# Altium PCB FMC_ADC_100M_10B_16CHA_TDC.PcbDoc (part 5 of 12) (continued)
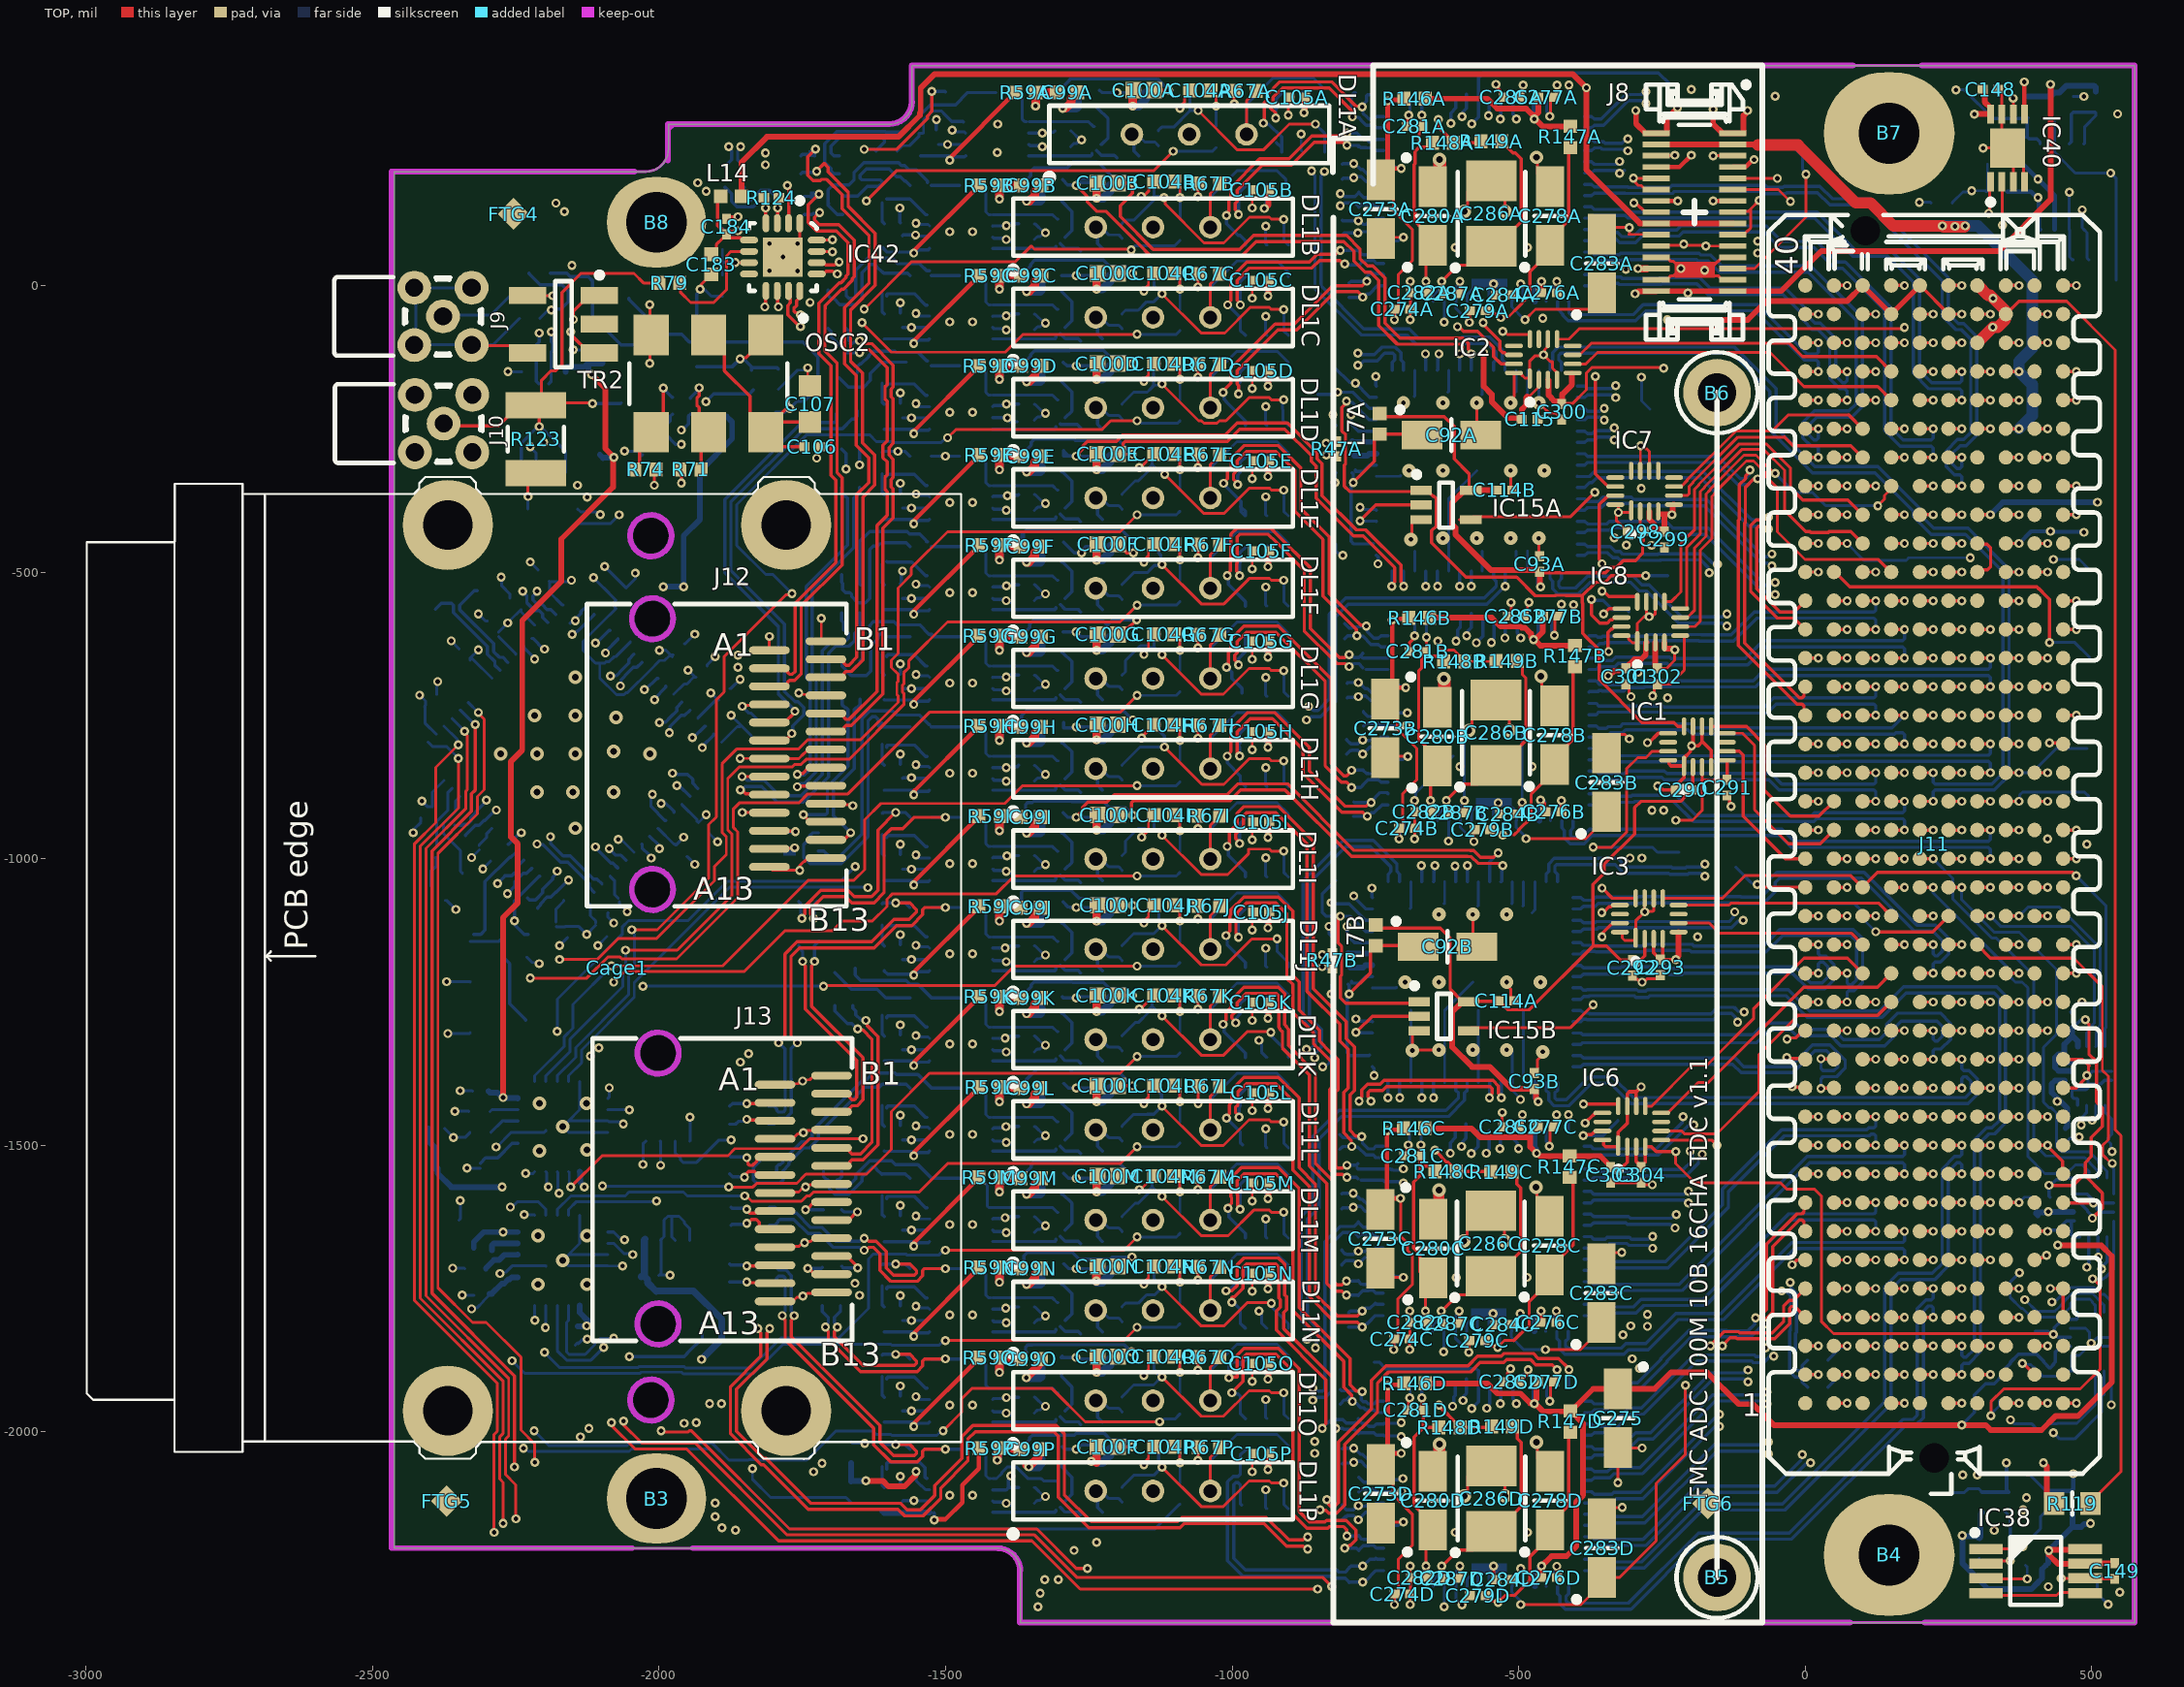
[diagram p0: TOP view]
## Nets (pads, with @x,y where several pads share a name; then routed paths per layer and width w, separated by ;. In a path a pad name is that pad's centre, name@x,y a point inside that pad or via, vN(x,y) a via of type N, cw(c..) or ccw(c..) an arc to the next point about the centre after c; other vN are vias at no path point) (continued)
  BOTTOM w5.71: DL1E.1@-1232.08,-373.37 -1234.67,-375.97 -1234.67,-399.52 R62E.2@-1226.11,-408.08
DL_INF: DL1F.1 R62F.2 R66F.2 | length 85.9
  BOTTOM w5: DL1F.1@-1230.11,-528.89 -1228.11,-528.89 -1215.31,-541.69 -1197.81,-541.69 -1192.04,-547.45 R66F.2@-1192.04,-548.24
  BOTTOM w5.71: DL1F.1@-1232.08,-530.85 -1234.67,-533.45 -1234.67,-557 R62F.2@-1226.11,-565.56
DL_ING: DL1G.1 R62G.2 R66G.2 | length 85.9
  BOTTOM w5: DL1G.1@-1230.11,-686.37 -1228.11,-686.37 -1215.31,-699.17 -1197.81,-699.17 -1192.04,-704.93 R66G.2@-1192.04,-705.72
  BOTTOM w5.71: DL1G.1@-1232.08,-688.33 -1234.67,-690.93 -1234.67,-714.48 R62G.2@-1226.11,-723.04
DL_INH: DL1H.1 R62H.2 R66H.2 | length 85.9
  BOTTOM w5: DL1H.1@-1230.11,-843.85 -1228.11,-843.85 -1215.31,-856.65 -1197.81,-856.65 -1192.04,-862.41 R66H.2@-1192.04,-863.2
  BOTTOM w5.71: DL1H.1@-1232.08,-845.82 -1234.67,-848.41 -1234.67,-871.96 R62H.2@-1226.11,-880.52
DL_INI: DL1I.1 R62I.2 R66I.2 | length 85.9
  BOTTOM w5: DL1I.1@-1230.11,-1001.33 -1228.11,-1001.33 -1215.31,-1014.13 -1197.81,-1014.13 -1192.04,-1019.89 R66I.2@-1192.04,-1020.68
  BOTTOM w5.71: DL1I.1@-1232.08,-1003.3 -1234.67,-1005.89 -1234.67,-1029.44 R62I.2@-1226.11,-1038
DL_INJ: DL1J.1 R62J.2 R66J.2 | length 85.9
  BOTTOM w5: DL1J.1@-1230.11,-1158.81 -1228.11,-1158.81 -1215.31,-1171.61 -1197.81,-1171.61 -1192.04,-1177.38 R66J.2@-1192.04,-1178.16
  BOTTOM w5.71: DL1J.1@-1232.08,-1160.78 -1234.67,-1163.37 -1234.67,-1186.92 R62J.2@-1226.11,-1195.49
DL_INK: DL1K.1 R62K.2 R66K.2 | length 85.9
  BOTTOM w5: DL1K.1@-1230.11,-1316.29 -1228.11,-1316.29 -1215.31,-1329.09 -1197.81,-1329.09 -1192.04,-1334.86 R66K.2@-1192.04,-1335.64
  BOTTOM w5.71: DL1K.1@-1232.08,-1318.26 -1234.67,-1320.85 -1234.67,-1344.4 R62K.2@-1226.11,-1352.97
DL_INL: DL1L.1 R62L.2 R66L.2 | length 85.9
  BOTTOM w5: DL1L.1@-1230.11,-1473.77 -1228.11,-1473.77 -1215.31,-1486.57 -1197.81,-1486.57 -1192.04,-1492.34 R66L.2@-1192.04,-1493.12
  BOTTOM w5.71: DL1L.1@-1232.08,-1475.74 -1234.67,-1478.33 -1234.67,-1501.89 R62L.2@-1226.11,-1510.45
DL_INM: DL1M.1 R62M.2 R66M.2 | length 85.9
  BOTTOM w5: DL1M.1@-1230.11,-1631.25 -1228.11,-1631.25 -1215.31,-1644.05 -1197.81,-1644.05 -1192.04,-1649.82 R66M.2@-1192.04,-1650.6
  BOTTOM w5.71: DL1M.1@-1232.08,-1633.22 -1234.67,-1635.81 -1234.67,-1659.37 R62M.2@-1226.11,-1667.93
DL_INN: DL1N.1 R62N.2 R66N.2 | length 85.9
  BOTTOM w5: DL1N.1@-1230.11,-1788.73 -1228.11,-1788.73 -1215.31,-1801.53 -1197.81,-1801.53 -1192.04,-1807.3 R66N.2@-1192.04,-1808.08
  BOTTOM w5.71: DL1N.1@-1232.08,-1790.7 -1234.67,-1793.29 -1234.67,-1816.85 R62N.2@-1226.11,-1825.41
DL_INO: DL1O.1 R62O.2 R66O.2 | length 85.8
  BOTTOM w5: DL1O.1@-1230.11,-1946.21 -1228.11,-1946.21 -1215.31,-1959.01 -1197.81,-1959.01 -1192.04,-1964.78 R66O.2@-1192.04,-1965.56
  BOTTOM w5.71: DL1O.1@-1232.08,-1948.18 -1234.55,-1950.65 -1234.55,-1974.45 R62O.2@-1226.11,-1982.89
DL_INP: DL1P.1 R62P.2 R66P.2 | length 85.9
  BOTTOM w5: DL1P.1@-1230.11,-2103.69 -1228.11,-2103.69 -1215.31,-2116.49 -1197.81,-2116.49 -1192.04,-2122.26 R66P.2@-1192.04,-2123.04
  BOTTOM w5.71: DL1P.1@-1232.08,-2105.66 -1234.67,-2108.25 -1234.67,-2131.81 R62P.2@-1226.11,-2140.37
DL_OUTA: DL1A.3 IC32A.6 R67A.2 | length 284.4
  TOP w5: DL1A.3@-972.84,273.57 -974.93,275.67 -974.93,322.35 -958.43,338.85 R67A.2@-958.43,339.64
  BOTTOM w5: DL1A.3@-976.77,269.63 -974.93,271.47 -974.93,315.8 -928.7,362.04 -858.29,362.04 -842.91,346.66 IC32A.6@-842.91,340.5
DL_OUTB: DL1B.3 IC32B.6 R67B.2 | length 287.8
  TOP w5: DL1B.3@-1035.95,111.6 -1038.04,113.7 -1038.04,160.38 -1021.54,176.88 R67B.2@-1021.54,177.67
  BOTTOM w5: DL1B.3@-1039.89,107.66 -1038.04,109.51 -1038.04,153.84 -991.81,200.07 -921.4,200.07 -905.91,184.58 IC32B.6@-905.91,175.14
DL_OUTC: DL1C.3 IC32C.6 R67C.2 | length 291.7
  TOP w5: DL1C.3@-1035.95,-45.88 -1038.04,-43.78 -1038.04,2.9 -1021.54,19.4 R67C.2@-1021.54,20.19
  BOTTOM w5: DL1C.3@-1039.89,-49.82 -1038.04,-47.98 -1038.04,-3.64 -991.81,42.59 -921.4,42.59 -902.09,23.28 IC32C.6@-902.09,15.4
DL_OUTD: DL1D.3 IC32D.6 R67D.2 | length 283.8
  TOP w5: DL1D.3@-1035.95,-203.36 -1038.04,-201.26 -1038.04,-154.58 -1021.54,-138.08 R67D.2@-1021.54,-137.29
  BOTTOM w5: DL1D.3@-1039.89,-207.3 -1038.04,-205.46 -1038.04,-161.12 -991.81,-114.89 -921.4,-114.89 IC32D.6@-902.09,-134.2
DL_OUTE: DL1E.3 IC32E.6 R67E.2 | length 291.7
  TOP w5: DL1E.3@-1035.95,-360.84 -1038.04,-358.74 -1038.04,-312.06 -1021.54,-295.56 R67E.2@-1021.54,-294.77
  BOTTOM w5: DL1E.3@-1039.89,-364.78 -1038.04,-362.94 -1038.04,-318.61 -991.81,-272.37 -921.4,-272.37 -902.09,-291.68 IC32E.6@-902.09,-299.56
DL_OUTF: DL1F.3 IC32F.6 R67F.2 | length 296.9
  TOP w5: DL1F.3@-1035.95,-518.32 -1038.04,-516.22 -1038.04,-469.54 -1021.54,-453.04 R67F.2@-1021.54,-452.25
  BOTTOM w5: DL1F.3@-1038.04,-528.25 -1038.04,-476.09 -991.81,-429.85 -921.4,-429.85 -902.09,-449.16 IC32F.6@-902.09,-457.04
DL_OUTG: DL1G.3 IC32G.6 R67G.2 | length 289
  TOP w5: DL1G.3@-1035.95,-675.8 -1038.04,-673.7 -1038.04,-627.02 -1021.54,-610.52 R67G.2@-1021.54,-609.73
  BOTTOM w5: DL1G.3@-1038.04,-685.73 -1038.04,-633.57 -991.81,-587.33 -921.4,-587.33 IC32G.6@-902.09,-606.64
DL_OUTH: DL1H.3 IC32H.6 R67H.2 | length 283.8
  TOP w5: DL1H.3@-1035.95,-833.28 -1038.04,-831.18 -1038.04,-784.5 -1021.54,-768 R67H.2@-1021.54,-767.21
  BOTTOM w5: DL1H.3@-1039.89,-837.22 -1038.04,-835.38 -1038.04,-791.05 -991.81,-744.81 -921.4,-744.81 IC32H.6@-902.09,-764.12
DL_OUTI: DL1I.3 IC32I.6 R67I.2 | length 296.9
  TOP w5: DL1I.3@-1035.95,-990.76 -1038.04,-988.66 -1038.04,-941.98 -1021.54,-925.48 R67I.2@-1021.54,-924.69
  BOTTOM w5: DL1I.3@-1038.04,-1000.69 -1038.04,-948.53 -991.81,-902.29 -921.4,-902.29 -902.09,-921.6 IC32I.6@-902.09,-929.48
DL_OUTJ: DL1J.3 IC32J.6 R67J.2 | length 291.7
  TOP w5: DL1J.3@-1035.95,-1148.24 -1038.04,-1146.14 -1038.04,-1099.46 -1021.54,-1082.96 R67J.2@-1021.54,-1082.17
  BOTTOM w5: DL1J.3@-1039.89,-1152.18 -1038.04,-1150.34 -1038.04,-1106.01 -991.81,-1059.77 -921.4,-1059.77 -902.09,-1079.08 IC32J.6@-902.09,-1086.96
DL_OUTK: DL1K.3 IC32K.6 R67K.2 | length 291.7
  TOP w5: DL1K.3@-1035.95,-1305.72 -1038.04,-1303.63 -1038.04,-1256.94 -1021.54,-1240.44 R67K.2@-1021.54,-1239.65
  BOTTOM w5: DL1K.3@-1039.89,-1309.66 -1038.04,-1307.82 -1038.04,-1263.49 -991.81,-1217.25 -921.4,-1217.25 -902.09,-1236.56 IC32K.6@-902.09,-1244.44
DL_OUTL: DL1L.3 IC32L.6 R67L.2 | length 291.7
  TOP w5: DL1L.3@-1035.95,-1463.2 -1038.04,-1461.11 -1038.04,-1414.42 -1021.54,-1397.92 R67L.2@-1021.54,-1397.13
  BOTTOM w5: DL1L.3@-1039.89,-1467.14 -1038.04,-1465.3 -1038.04,-1420.97 -991.81,-1374.73 -921.4,-1374.73 -902.09,-1394.04 IC32L.6@-902.09,-1401.92
DL_OUTM: DL1M.3 IC32M.6 R67M.2 | length 291.7
  TOP w5: DL1M.3@-1035.95,-1620.68 -1038.04,-1618.59 -1038.04,-1571.9 -1021.54,-1555.4 R67M.2@-1021.54,-1554.61
  BOTTOM w5: DL1M.3@-1039.89,-1624.62 -1038.04,-1622.78 -1038.04,-1578.45 -991.81,-1532.21 -921.4,-1532.21 -902.09,-1551.53 IC32M.6@-902.09,-1559.4
DL_OUTN: DL1N.3 IC32N.6 R67N.2 | length 291.7
  TOP w5: DL1N.3@-1035.95,-1778.16 -1038.04,-1776.07 -1038.04,-1729.38 -1021.54,-1712.88 R67N.2@-1021.54,-1712.09
  BOTTOM w5: DL1N.3@-1039.89,-1782.1 -1038.04,-1780.26 -1038.04,-1735.93 -991.81,-1689.69 -921.4,-1689.69 -902.09,-1709.01 IC32N.6@-902.09,-1716.88
DL_OUTO: DL1O.3 IC32O.6 R67O.2 | length 291.7
  TOP w5: DL1O.3@-1035.95,-1935.64 -1038.04,-1933.55 -1038.04,-1886.86 -1021.54,-1870.36 R67O.2@-1021.54,-1869.57
  BOTTOM w5: DL1O.3@-1039.89,-1939.58 -1038.04,-1937.74 -1038.04,-1893.41 -991.81,-1847.17 -921.4,-1847.17 -902.09,-1866.49 IC32O.6@-902.09,-1874.36
DL_OUTP: DL1P.3 IC32P.6 R67P.2 | length 296.9
  TOP w5: DL1P.3@-1035.95,-2093.12 -1038.04,-2091.03 -1038.04,-2044.34 -1021.54,-2027.84 R67P.2@-1021.54,-2027.05
  BOTTOM w5: DL1P.3@-1038.04,-2103.05 -1038.04,-2050.89 -991.81,-2004.66 -921.4,-2004.66 -902.09,-2023.97 IC32P.6@-902.09,-2031.84
DVDD18A: C283A.1 C284A.1 C285A.1 IC50A.22 IC50A.24 IC50A.25 IC50A.26 IC50A.60 R148A.1 R149A.1 | length 1041
  TOP w5: v1(-543.7,3.1) -543.7,-12.65 C284A.1@-539.76,-16.59 ; C285A.1@-498.89,328.54 -497.9,328.54 -492.53,333.91 v1(-492.52,349.55) ; v1@-488.9,-59.9 -470.63,-41.63 -376.83,-41.63 -354.72,-19.52 C283A.1@-354.72,-12.65
  TOP w6: v1(-640.07,289.32) -638.2,287.45 -638.2,274.13 -613.78,249.71 R148A.1@-613.78,248.92 -568.35,248.92 R149A.1@-566.14,251.13
  L3 w5: -572.48,317.36 -572.48,294.45 -566.46,288.44 -565.57,287.54 -565.57,104.82 -543.7,82.94 v1(-543.7,3.1)
  L3 w10: v1(-640.07,289.32) -640.07,290.87 -630.21,300.73 -630.21,310.29 -623.14,317.36 -572.48,317.36 -524.71,317.36 v1(-492.52,349.55)
  BOTTOM w5: IC50A.26@-590.03,-28.28 -590.03,-15.73 -574.01,0.29 -556.64,0.29 -553.09,-3.27 ; -573.24,-2.83 -571.65,-4.42 -571.65,-26.98 IC50A.25@-570.34,-28.28 ; IC50A.24@-550.66,-28.28 -551.96,-26.98 -551.96,-10.38 -553.09,-9.26 -553.09,-3.27 ; v1@-546.44,1.04 -548.66,1.04 -552.97,-3.27 -553.09,-3.27 ; v1@-540.89,0.29 -540.14,1.04 -529.78,1.04 -511.29,-17.45 IC50A.22@-511.29,-28.28 ; IC50A.22@-512.2,-28.4 -512.2,-37.5 -489.7,-60 v1(-489,-60) ; v1@-492.52,345.62 -492.06,345.16 -492.06,322.57 IC50A.60@-491.6,322.11
DVDD18B: C283B.1 C284B.1 C285B.1 IC50B.22 IC50B.24 IC50B.25 IC50B.26 IC50B.60 R148B.1 R149B.1 | length 1304.9
  TOP w5: v1(-641.27,-620.43) -640.07,-621.63 -640.07,-633.21 -637.03,-636.25 -613.03,-636.25 -594.11,-655.17 R148B.1@-594.11,-655.96 -540.55,-655.96 R149B.1@-539.76,-655.17 ; v1(-535.82,-902.42) -535.82,-918.17 C284B.1@-531.89,-922.1 ; C285B.1@-491.01,-576.97 -490.03,-576.97 -484.66,-571.6 -484.66,-553.21 -484.44,-553 v1(-482,-553) ; v1(-487,-965) -382.86,-965 -346.85,-928.99 C283B.1@-346.85,-918.16
  L3 w5: v1(-641.27,-620.43) -641.27,-620.99 -567.7,-694.56 -567.7,-870.54 v1(-535.82,-902.42)
  L2 w5: v1(-641.27,-620.43) -641.27,-619.28 -625.23,-603.23 -604.84,-603.23 -597.31,-595.7 -584.57,-595.7 -577.04,-603.23 -533.98,-603.23 -530.38,-599.64 -517.65,-599.64 -515.85,-601.44 -504.62,-601.44 -498.33,-595.15 -420.52,-595.15 -389.09,-563.72 -389.09,-549.59 -398.09,-540.58 -433.61,-540.58 -446.22,-553.2 -446.43,-553 v1(-482,-553)
  BOTTOM w5: IC50B.26@-582.16,-933.79 -582.16,-917.69 -570.82,-906.35 -547.64,-906.35 -545.21,-908.78 ; -565.37,-908.34 -563.77,-909.93 -563.77,-932.49 IC50B.25@-562.47,-933.79 ; IC50B.24@-542.79,-933.79 -544.09,-932.49 -544.09,-909.9 -545.21,-908.78 ; IC50B.22@-504.33,-933.91 -504.33,-945.55 -487,-962.88 v1(-487,-965) ; IC50B.22@-503.42,-933.79 -503.42,-919.1 -518.04,-904.47 -532.8,-904.47 -533.28,-904.96 -533.77,-904.47 -540.79,-904.47 -545.09,-908.78 -545.21,-908.78 ; v1@-484.64,-559.9 -484.64,-582.49 IC50B.60@-483.73,-583.4
DVDD18C: C283C.1 C284C.1 C285C.1 IC50C.22 IC50C.24 IC50C.25 IC50C.26 IC50C.60 R148C.1 R149C.1 | length 1176.2
  TOP w5: v1(-544.61,-1793.36) -544.61,-1809.11 C284C.1@-540.68,-1813.05 ; C285C.1@-499.8,-1467.92 -498.82,-1467.92 -493.45,-1462.55 v1(-493.43,-1446.9) ; v1(-453.15,-1856.35) -392.06,-1856.35 -355.64,-1819.93 C283C.1@-355.64,-1809.11
  TOP w6: v1(-646.06,-1508.48) -635.29,-1519.25 -635.29,-1520.41 -625.99,-1529.71 -623.62,-1529.71 -608.79,-1544.54 R148C.1@-608.79,-1545.33 -549.34,-1545.33 R149C.1@-548.55,-1546.12
  L3 w5: v1(-544.61,-1793.36) -522.74,-1771.49 -522.74,-1692.5 -505.62,-1675.37 -505.62,-1578.83 -515.77,-1568.69 -515.77,-1469.24 v1(-493.43,-1446.9)
  L2 w5: v1(-646.06,-1508.48) -608.62,-1471.04 -608.62,-1453.13 -557.49,-1402 -524.01,-1402 -512.37,-1413.64 -512.37,-1427.96 v1(-493.43,-1446.9)
  BOTTOM w5: IC50C.26@-590.95,-1824.74 -590.95,-1812.19 -576.05,-1797.3 -566.15,-1797.3 ; -574.16,-1799.28 -572.56,-1800.88 -572.56,-1823.43 IC50C.25@-571.26,-1824.74 ; IC50C.24@-551.58,-1824.74 -551.58,-1803.49 -559.95,-1803.49 -566.15,-1797.3 ; v1(-544.61,-1793.36) -562.21,-1793.36 -566.15,-1797.3 ; v1@-541.81,-1796.17 -541.05,-1795.42 -530.7,-1795.42 -512.21,-1813.91 IC50C.22@-512.21,-1824.74 ; IC50C.22@-513.12,-1824.86 -513.12,-1834.65 -491.42,-1856.35 v1(-453.15,-1856.35) ; v1@-493.43,-1450.84 -492.98,-1451.3 -492.98,-1473.89 IC50C.60@-492.52,-1474.34
DVDD18D: C283D.1 C284D.1 C285D.1 IC50D.22 IC50D.24 IC50D.25 IC50D.26 IC50D.60 R148D.1 R149D.1 | length 1454
  TOP w5: v1@-640.14,-1953.36 v1(-639.1,-1953.36) ; v1(-543.7,-2234.3) -543.7,-2253.99 C284D.1@-539.77,-2257.93 ; C285D.1@-498.89,-1912.8 -497.91,-1912.8 -485.61,-1900.5 -485.61,-1893.84 v1(-483.55,-1891.79) ; v1(-496.46,-2301.23) -391.14,-2301.23 -354.73,-2264.82 C283D.1@-354.73,-2253.99 -323.97,-2253.99 -260.03,-2190.05 -260.03,-2089.92 -209.17,-2039.06 v1(-209.17,-1918.75)
  TOP w6: v1(-639.1,-1953.36) -639.1,-1954.44 -606.55,-1986.99 R148D.1@-606.55,-1987.78 ; R148D.1@-602.1,-1992.24 -549.67,-1992.24 R149D.1@-547.64,-1990.21
  L2 w5: v1(-639.1,-1953.36) -637.15,-1951.4 -637.15,-1937.99 -617.42,-1918.25 -510.02,-1918.25 v1(-483.55,-1891.79) -460.6,-1914.74 -227.04,-1914.74 -224.54,-1917.24 -210.67,-1917.24 v1(-209.17,-1918.75)
  BOTTOM w5: IC50D.26@-590.03,-2269.62 -590.03,-2257.07 -575.14,-2242.18 -555.51,-2242.18 -553.09,-2244.6 ; -573.25,-2244.16 -571.65,-2245.76 -571.65,-2268.32 IC50D.25@-570.35,-2269.62 ; IC50D.24@-550.66,-2269.62 -551.97,-2268.32 -551.97,-2245.73 -553.09,-2244.6 ; v1(-543.7,-2234.3) -543.7,-2235.22 -553.09,-2244.6 ; v1@-540.89,-2241.05 -536.56,-2245.39 -524.7,-2245.39 -511.29,-2258.79 IC50D.22@-511.29,-2269.62 ; IC50D.22@-512.21,-2269.74 -512.21,-2279.53 -498.51,-2293.23 -498.51,-2299.18 v1(-496.46,-2301.23) ; IC50D.60@-491.61,-1919.23 -492.52,-1918.31 -492.52,-1900.75 v1(-483.55,-1891.79)
DVDD33A: C115.1 C144.1 C145.1 C146.1 C181.1 C182.1 C275.1 C276A.1 C276B.1 C276C.1 C276D.1 C277A.1 C277B.1 C277C.1 C277D.1 C288.1 C296.1 C301.1 C303.1 C305.1 D3.2 IC2.2 IC4.2 IC5.2 IC6.2 IC8.2 IC9.2 IC35.2 IC35.12 IC36.2 IC36.12 IC37.1 IC41.8 IC50A.20 IC50A.61 IC50B.20 IC50B.61 IC50C.20 IC50C.61 IC50D.20 IC50D.61 J8.29 J8.30 R85.1 R146A.1 R146B.1 R146C.1 R146D.1 R147A.1 R147B.1 R147C.1 R147D.1 R160.2 R161.2 R162.2 | length 10531.7
  TOP w5: -486,-198 -464.87,-176.87 IC2.2@-464.87,-164.43
  TOP w6: C303.1@-339.52,-1537.75 -318.67,-1537.75 -310.66,-1529.74 IC6.2@-310.66,-1502.57
  TOP w10: v1(-2272.05,-1416.63) -2272.05,-1102.73 -2246.54,-1077.22 -2246.54,-974.06 -2258.43,-962.18 -2258.43,-830.27 -2238.74,-810.58 -2238.74,-584.54 -2170.67,-516.47 -2170.67,-442.3 -2080,-351.63 -2080,-298 -2093.52,-284.48 -2093.52,-179.83 v1(-2117.79,-155.56) ; R146C.1@-663.91,-1470.53 -582.7,-1470.53 -567.43,-1485.79 -485.44,-1485.79 ; R146D.1@-662.99,-1915.41 -554.72,-1915.41 -537.16,-1932.97 -496.93,-1932.97 -479.89,-1950 -475.23,-1950 -474.39,-1950.84 v1(-472.84,-1950.84) -471.28,-1950.84 -457.89,-1964.23 -410.24,-1964.23 R147D.1@-409.84,-1963.83 R147D.1@-409.06,-1963.83 ; R146A.1@-662.99,325.93 -554.72,325.93 -537.43,308.64 -487.04,308.64 -477.68,299.28 ; R146B.1@-655.12,-579.58 -546.84,-579.58 -531.3,-595.13 -496.87,-595.13 -494.86,-597.14 -489.05,-597.14 -478.58,-607.61 -478.58,-613.42 v1@-472.94,-619.06 ; v1(-561.32,-116.91) -561.32,-175.68 -547,-190 -547,-202.8 -518.36,-231.44 -496.44,-231.44 C115.1@-496,-231 ; C115.1@-494.5,-233.45 -494.5,-215.95 -486.77,-208.22 -486.77,-195.74 -484.89,-193.86 ; v1(-474,-618) -472.44,-618 -462.05,-628.4 -402.36,-628.4 R147B.1@-401.97,-628.01 ; v1@-473.94,-620.06 -457.79,-603.91 C277B.1@-457.79,-576.97 ; v1(-472.83,290.5) -471.28,290.5 -457.89,277.11 -410.23,277.11 R147A.1@-409.84,277.51 ; -468.9,-1942.97 -468.9,-1915.67 -466.03,-1912.8 C277D.1@-465.67,-1912.8 ; -468.9,298.37 -465.67,301.6 C277A.1@-465.67,328.54 ; C277C.1@-466.58,-1467.92 -467.57,-1467.92 -480,-1480.35 -480,-1502.73 v1(-468.9,-1513.83) -467.34,-1513.83 -461.83,-1519.34 -411.15,-1519.34 R147C.1@-410.76,-1518.95 -357.33,-1518.95 -339.52,-1536.76 C303.1@-339.52,-1537.75 ; v1(-462,-898) -462,-899.56 -457.01,-904.55 -457.01,-915.29 -454.13,-918.16 C276B.1@-453.15,-918.16 ; C276C.1@-461.94,-1809.11 -461.52,-1808.69 -461.52,-1789.84 v1(-461.1,-1789.42) ; C276D.1@-461.03,-2253.99 -460.6,-2253.57 -460.6,-2234.73 v1(-460.18,-2234.3) -442.62,-2216.75 -416.53,-2216.75 -399.96,-2200.17 -399.96,-2122.68 -387.64,-2110.36 -387.64,-1985.25 R147D.1@-409.06,-1963.83 ; C276A.1@-461.02,-12.65 -460.6,-12.23 -460.6,6.61 v1(-460.18,7.03) ; v1(-344,-681) -342.44,-681 -333.47,-672.02 -315.87,-672.02 -313,-669.15 C301.1@-313,-668.16 -313,-667.18 -298,-652.18 -286.39,-652.18 -278.33,-644.12 -278.33,-623.69 IC8.2@-277.27,-622.63 ; v1(-297.09,-14.38) -295.54,-14.38 -291.13,-9.98 -260.32,-9.98 J8.30@-260.24,-9.9 -209.66,-9.9 -206.56,-13 v1(-205,-13) ; v1@-205,-10.34 -203.44,-11.9 -202.34,-11.9 -200.34,-9.9 J8.29@-126.38,-9.9 -41.86,-9.9 27.95,59.91 338.08,59.91 428,149.83 v1(428,350.93) ; v1@271.44,-1988.1 -54.93,-1988.1 -91.43,-1951.61 -116.22,-1951.61 -171.55,-1896.27 -234.17,-1896.27 -262.89,-1924.99 C275.1@-326.9,-1924.99 -370.22,-1924.99 R147D.1@-409.06,-1963.83 ; v1@274.56,-1988.1 314.82,-1988.1 323.6,-1996.87 412.17,-1996.87 436.45,-1972.6 475.68,-1972.6 534.87,-1913.4 534.87,-1693.19 516.59,-1674.91 441.28,-1674.91 v1(440.73,-1674.35)
  L3 w10: v1@-2277.25,-1577.93 -2277.25,-1615.29 -2272.05,-1620.49 v1(-2272.05,-1651.45) ; v1@-2273.76,-1571.18 -2273.76,-1517.57 -2266.53,-1510.33 -2266.53,-1495.53 -2273.76,-1488.29 v1@-2273.76,-1423.7 ; v1(-2130.32,-1572.89) -2130.32,-1620.73 -2147.3,-1637.72 -2147.3,-1684.01 -2145.98,-1685.34 -2145.98,-1732.37 -2147.3,-1733.69 -2147.3,-1770.59 -2126,-1791.89 v1(-2126,-1815) ; v1(-472.83,290.5) -447.09,264.75 -447.09,142.44 -460.18,129.34 v1(-460.18,7.03) ; v1(439.84,-1423.36) 440.87,-1424.39 440.87,-1511.38 443.14,-1513.64 443.14,-1577.13 440.87,-1579.39 440.87,-1599.13 v1(424,-1616) 440.87,-1632.87 440.87,-1674.2 v1(440.73,-1674.35)
  L2 w10: v1(-2273.76,-1572.89) -2218.58,-1572.89 -2200.71,-1555.01 -2146.53,-1555.01 -2131.42,-1570.13 -2131.42,-1571.79 v1(-2130.32,-1572.89) ; v1(-2126,-1815) -2097.27,-1815 -2091.35,-1820.92 -2089.23,-1818.79 -2087.88,-1820.14 -2086.54,-1818.79 -2071.73,-1818.79 -2061.26,-1829.26 -2061.26,-1844.07 -2062.61,-1845.42 -2057.18,-1850.84 -2044.43,-1850.84 -2033.95,-1861.31 -2033.95,-1874.07 -2014.74,-1893.28 -1993.08,-1893.28 -1978.28,-1908.08 -1809.48,-1908.08 -1803.42,-1902.02 -1752.73,-1902.02 -1746.67,-1908.08 -1592.72,-1908.08 -1586.66,-1902.02 -1571.85,-1902.02 -1565.79,-1908.08 -1510.67,-1908.08 -1480.99,-1878.4 -1354.08,-1878.4 -1318.33,-1914.15 -1191.43,-1914.15 -1158.41,-1881.13 -1101.2,-1881.13 -1094.53,-1874.46 -1052.17,-1874.46 -1037.01,-1889.62 -1014.93,-1889.62 -1013,-1887.69 -998.19,-1887.69 -996.26,-1889.62 -824.79,-1889.62 -814.02,-1878.85 -537.89,-1878.85 -462.2,-1803.15 -462.2,-1790.52 v1(-461.1,-1789.42) ; v1(-561.32,-116.91) -511.45,-116.91 -485.28,-90.73 -485.28,-84.28 v1(-458,-57)
  BOTTOM w6: v1(273,-1988.1) 294.86,-1966.24 294.86,-1935.35 314.34,-1915.87 329.58,-1915.87 345.11,-1900.34 345.11,-1893.25 358,-1880.36 358,-1878.52 372.03,-1864.48 391.59,-1864.48 391.97,-1864.86 404.17,-1864.86 416.03,-1876.72 416.03,-1878.19 425.74,-1887.91 C305.1@426.73,-1887.91 427.71,-1887.91 432.59,-1883.04 432.59,-1882.05 436.49,-1878.15 436.49,-1860.59 442.58,-1854.5 446.37,-1854.5 450.19,-1850.69 IC9.2@462.5,-1850.69
  BOTTOM w10: C144.1@-2402.09,-1471.08 -2400.87,-1472.3 -2400.87,-1493.95 -2390.52,-1504.3 -2390.52,-1541.04 IC37.1@-2390.16,-1541.39 ; IC37.1@-2386.34,-1539.97 -2386.34,-1548.83 -2362.29,-1572.89 v1(-2273.76,-1572.89) ; R85.1@-2323.23,-1679.19 -2323.23,-1668.77 -2305.91,-1651.45 v1(-2272.05,-1651.45) IC36.12@-2246.53,-1651.45 ; C145.1@-2297.76,-1405.33 -2294.89,-1408.2 -2282.03,-1408.2 v1@-2274.71,-1415.53 ; v1@-2272.05,-1418.19 -2271.59,-1417.73 -2269.39,-1417.73 -2269.28,-1417.84 -2246.88,-1417.84 IC35.12@-2246.53,-1418.19 ; IC41.8@-2162.8,-150.45 -2162.8,-143.97 -2160.91,-142.08 C181.1@-2132.58,-142.08 ; C146.1@-2142.04,-1815.91 -2125.91,-1815.91 -2126.5,-1816.5 -2125.17,-1817.83 -2125.17,-1805.15 -2138.61,-1791.71 -2138.61,-1779.75 IC36.2@-2138.26,-1779.41 ; IC35.2@-2138.26,-1546.14 -2137.92,-1546.49 -2137.92,-1563.73 -2130.32,-1571.33 v1(-2130.32,-1572.89) ; v1(-2117.79,-155.56) -2117.79,-154.01 -2123.61,-148.19 -2123.61,-141.09 C181.1@-2126.48,-138.22 -2124.51,-136.25 -2099.83,-136.25 -2098.82,-135.24 C182.1@-2098.82,-131.94 ; D3.2@-2103.4,-295.28 -2097.68,-301 -2096.68,-300 v1(-2079,-300) ; v1(-474,-618) -464.05,-608.05 IC50B.61@-464.05,-583.4 ; IC50C.20@-472.84,-1824.74 -472.49,-1824.39 -472.49,-1802.37 -462.2,-1792.08 -462.2,-1791.65 v1@-463.75,-1790.1 ; IC50C.61@-472.84,-1474.34 -472.49,-1474.69 -472.49,-1503.28 -469.81,-1505.96 ; IC50D.20@-471.92,-2269.62 -471.58,-2269.27 -471.58,-2247.25 -461.28,-2236.96 -461.28,-2236.54 v1@-462.84,-2234.98 ; v1@-471.92,-1948.18 -472.27,-1948.18 -472.27,-1919.57 IC50D.61@-471.92,-1919.23 ; IC50A.20@-471.92,-28.28 -471.57,-27.93 -471.57,-5.91 -461.28,4.38 -461.28,4.8 v1@-462.84,6.36 ; v1@-471.92,293.15 -472.27,293.15 -472.27,321.77 IC50A.61@-471.92,322.11 ; IC50B.20@-464.05,-933.79 -463.7,-933.45 -463.7,-908.83 v1@-456.41,-901.54 ; R162.2@388.82,329.79 R161.2@428.19,329.79 ; C288.1@403.02,-1619.22 C288.1@405.87,-1622.08 ; C288.1@403,-1617.87 C288.1@403,-1618.22 404.12,-1617.1 422.9,-1617.1 v1@423,-1617 ; v1(424,-1616) 424.44,-1616.44 IC4.2@467.24,-1616.44 ; v1(428,350.93) 428.09,350.84 428.09,329.89 R161.2@428.19,329.79 ; v1(439.84,-1423.36) 441.71,-1421.5 v1@443.5,-1421.5 ; IC5.2@452.82,-1387 435.86,-1387 430,-1392.86 430,-1408 v1@443.5,-1421.5 ; C296.1@454.13,-1470.08 457,-1467.2 C296.1@457,-1466.22 457,-1435 v1@443.5,-1421.5 ; R160.2@506.93,338.45 506.93,345.6 503.88,348.65 455.54,348.65 443.1,336.21 434.61,336.21 R161.2@428.19,329.79
FRAME0A_N: IC50A.1 J11.f38 | length 986
  TOP w5.71: J11.f38@200,-100 v1(223,-100)
  L2 w4: v1(-277.95,338.11) -275.61,338.11 -269.74,332.23 -243.76,332.23 -242.12,333.87 -211.91,333.87 -205.16,327.13 -174.82,327.13 -170.63,331.31 -93.17,331.31 -77.29,315.43 -15.39,315.43 196.87,103.17 196.87,-100.03 217.34,-120.5 220.66,-120.5 223,-118.16 v1(223,-100)
  BOTTOM w5.71: IC50A.1@-385.31,294.55 -372.83,294.55 -368.34,290.07 -355.98,290.07 -312.96,333.09 -285.69,333.09 -280.67,338.11 v1(-277.95,338.11)
FRAME0A_P: IC50A.2 J11.f37 | length 986
  TOP w5.71: J11.f37@200,-150 v1(223,-150)
  L2 w4: v1(-277.95,317.36) -275.61,317.36 -269.74,323.23 -240.03,323.23 -238.4,324.87 -215.64,324.87 -208.89,318.13 -171.09,318.13 -166.9,322.31 -96.9,322.31 -81.02,306.43 -19.11,306.43 187.87,99.44 187.87,-103.76 213.62,-129.5 220.66,-129.5 223,-131.84 v1(223,-150)
  BOTTOM w5.71: IC50A.2@-385.31,274.87 -372.83,274.87 -368.34,279.35 -351.55,279.35 -308.52,322.38 -285.69,322.38 -280.67,317.36 v1(-277.95,317.36)
FRAME0B_N: IC50B.1 J11.h29 | length 561.1
  TOP w5.71: J11.h29@100,-550 v1(123,-550)
  BOTTOM w5.71: IC50B.1@-377.43,-610.96 -364.95,-610.96 -362.22,-613.7 -355.48,-613.7 -353.95,-612.17 -278.93,-612.17 -275.74,-608.99 -181.52,-608.99 -180.8,-609.71 -129.31,-609.71 -89.25,-569.64 119.65,-569.64 123,-566.3 v1(123,-550)
FRAME0B_P: IC50B.2 J11.h28 | length 562.5
  TOP w5.71: J11.h28@100,-600 v1(123,-600)
  BOTTOM w5.71: IC50B.2@-377.43,-630.64 -364.95,-630.64 -358.72,-624.41 -351.04,-624.41 -349.52,-622.89 -274.49,-622.89 -271.3,-619.7 -185.96,-619.7 -185.24,-620.42 -124.88,-620.42 -84.81,-580.36 119.65,-580.36 123,-583.7 v1(123,-600)
FRAME0C_N: IC50C.1 J11.d15 | length 860.6
  TOP w5.71: J11.d15@300,-1250 v1(323,-1250)
  L2 w4: v1(-213.12,-1450) -212.48,-1449.36 -202.14,-1449.36 -119.6,-1366.82 -119.6,-1359.38 -30.72,-1270.5 320.66,-1270.5 323,-1268.16 v1(323,-1250)
  BOTTOM w5.71: IC50C.1@-386.22,-1501.9 -373.75,-1501.9 -369.26,-1506.39 -260.39,-1506.39 -214.47,-1460.48 -214.47,-1451.35 v1(-213.12,-1450)
FRAME0C_P: IC50C.2 J11.d14 | length 862
  TOP w5.71: J11.d14@300,-1300 v1(323,-1300)
  L2 w4: v1(-194.39,-1464.67) -193.75,-1464.03 -193.75,-1453.69 -110.6,-1370.54 -110.6,-1363.11 -26.99,-1279.5 320.66,-1279.5 323,-1281.84 v1(323,-1300)
  BOTTOM w5.71: IC50C.2@-386.22,-1521.59 -373.75,-1521.59 -369.26,-1517.1 -255.95,-1517.1 -204.87,-1466.02 -195.75,-1466.02 v1(-194.39,-1464.67)
FRAME0D_N: IC50D.1 J11.k8 | length 604.9
  TOP w5.71: -78.48,-1797.53 -67.45,-1786.5 -67.45,-1672.36 -14.73,-1619.64 -5.56,-1619.64 -2.21,-1616.3 -2.21,-1602.21 J11.k8@0,-1600
  BOTTOM w5.71: IC50D.1@-385.31,-1946.79 -372.83,-1946.79 -368.35,-1951.27 -350.72,-1951.27 -314.12,-1914.67 -292.78,-1914.67 -251.8,-1873.69 -251.8,-1871.81 -203.25,-1823.26 -137.06,-1823.26 -136.81,-1823.51 -99.64,-1823.51 -87.9,-1811.77 -87.9,-1802.24 v1(-86.75,-1801.09)
FRAME0D_P: IC50D.2 J11.k7 | length 614
  TOP w5.71: v1(-68.69,-1811.3) -68.39,-1811.01 -68.39,-1802.6 -56.73,-1790.94 -56.73,-1676.8 -10.29,-1630.36 -5.56,-1630.36 -2.21,-1633.7 -2.21,-1647.79 J11.k7@0,-1650
  BOTTOM w5.71: IC50D.2@-385.31,-1966.47 -372.83,-1966.47 -368.35,-1961.98 -346.28,-1961.98 -309.68,-1925.38 -288.34,-1925.38 -241.09,-1878.13 -241.09,-1876.25 -198.81,-1833.97 -141.5,-1833.97 -141.25,-1834.23 -95.2,-1834.23 -76.4,-1815.42 -75.52,-1815.42 -71.4,-1811.3 v1(-68.69,-1811.3)
FRAME1A_N: IC50A.5 J11.j34 | length 947.7
  TOP w5.71: J11.j34@50,-300 v1(73,-300)
  L2 w4: v1(-324.16,216.34) -321.81,216.34 -315.94,210.47 -309,210.47 -308.64,210.83 -109.14,210.83 -44.06,145.75 -44.06,-153.97 16.84,-214.87 30.48,-214.87 46.87,-231.27 46.87,-300.03 67.34,-320.5 70.66,-320.5 73,-318.16 v1(73,-300)
  BOTTOM w5.71: IC50A.5@-385.31,215.81 -372.83,215.81 -368.34,211.33 v1@-324.16,211.33 ; v1(-324.16,216.34) -324.16,215.76 v1@-319.72,211.33
FRAME1A_P: IC50A.6 J11.j33 | length 951.8
  TOP w5.71: J11.j33@50,-350 v1(73,-350)
  L2 w4: v1(-324.16,195.6) -321.81,195.6 -315.94,201.47 -305.27,201.47 -304.91,201.83 -112.87,201.83 -53.06,142.02 -53.06,-157.7 13.11,-223.87 26.75,-223.87 37.87,-234.99 37.87,-303.76 63.62,-329.5 70.66,-329.5 73,-331.84 v1(73,-350)
  BOTTOM w5.71: IC50A.6@-385.31,196.13 -372.83,196.13 -368.34,200.61 v1@-324.16,200.61 ; v1(-324.16,195.6) -321.44,195.6 -316.43,200.61 -315.28,200.61
FRAME1B_N: IC50B.5 J11.d27 | length 755.2
  TOP w5.71: J11.d27@300,-650 v1(323,-650)
  BOTTOM w5.71: IC50B.5@-377.43,-689.7 -364.95,-689.7 -358.45,-696.21 -351.04,-696.21 -350.52,-696.73 -320.75,-696.73 -314.95,-690.93 -285.69,-690.93 -284.31,-689.56 -90.9,-689.56 -70.99,-669.64 319.65,-669.64 323,-666.3 v1(323,-650)
FRAME1B_P: IC50B.6 J11.d26 | length 753.6
  TOP w5.71: J11.d26@300,-700 v1(323,-700)
  BOTTOM w5.71: IC50B.6@-377.43,-709.38 -376.26,-708.22 -361.51,-708.22 -360.21,-706.92 -355.48,-706.92 -354.95,-707.44 -316.31,-707.44 -310.52,-701.65 -281.25,-701.65 -279.87,-700.27 -86.47,-700.27 -66.55,-680.36 319.65,-680.36 323,-683.7 v1(323,-700)
FRAME1C_N: IC50C.5 J11.g13 | length 697
  TOP w5.71: J11.g13@150,-1350 v1(173,-1350)
  L2 w4: v1(-203.94,-1580.11) -201.6,-1580.11 -195.72,-1585.99 -166.21,-1585.99 -6.35,-1426.13 23.27,-1426.13 78.9,-1370.5 170.66,-1370.5 173,-1368.16 v1(173,-1350)
  BOTTOM w5.71: IC50C.5@-386.22,-1580.64 -373.75,-1580.64 -369.26,-1585.13 -211.67,-1585.13 -206.65,-1580.11 v1(-203.94,-1580.11)
FRAME1C_P: IC50C.6 J11.g12 | length 697
  TOP w5.71: J11.g12@150,-1400 v1(173,-1400)
  L2 w4: v1(-203.94,-1600.86) -201.6,-1600.86 -195.72,-1594.99 -162.48,-1594.99 -2.62,-1435.13 27,-1435.13 82.62,-1379.5 170.66,-1379.5 173,-1381.84 v1(173,-1400)
  BOTTOM w5.71: IC50C.6@-386.22,-1600.33 -373.75,-1600.33 -369.26,-1595.84 -211.67,-1595.84 -206.65,-1600.86 v1(-203.94,-1600.86)
FRAME1D_N: IC50D.5 J11.j10 | length 937.5
  TOP w5.71: J11.j10@50,-1500 v1(73,-1500)
  L3 w4: v1(-100,-1892.13) -97.66,-1892.13 -91.78,-1898.01 -46.27,-1898.01 -24.39,-1876.13 17.91,-1876.13 38.42,-1855.62 38.42,-1850.82 63.11,-1826.13 67.91,-1826.13 87.87,-1806.16 87.87,-1643.84 72.99,-1628.95 68.19,-1628.95 49.13,-1609.89 49.13,-1534.99 63.62,-1520.5 70.66,-1520.5 73,-1518.16 v1(73,-1500)
  BOTTOM w5.71: IC50D.5@-385.31,-2025.53 -372.83,-2025.53 -368.35,-2030.01 -324.11,-2030.01 -295.73,-2001.63 -269.81,-2001.63 -165.32,-1897.15 -107.73,-1897.15 -102.72,-1892.13 v1(-100,-1892.13)
FRAME1D_P: IC50D.6 J11.j9 | length 937.5
  TOP w5.71: J11.j9@50,-1550 v1(73,-1550)
  L3 w4: v1(-100,-1912.88) -97.66,-1912.88 -91.78,-1907.01 -42.54,-1907.01 -20.66,-1885.13 21.64,-1885.13 47.42,-1859.34 47.42,-1854.55 66.84,-1835.13 71.64,-1835.13 96.87,-1809.89 96.87,-1640.11 76.72,-1619.95 71.92,-1619.95 58.13,-1606.16 58.13,-1538.72 67.34,-1529.5 70.66,-1529.5 73,-1531.84 v1(73,-1550)
  BOTTOM w5.71: IC50D.6@-385.31,-2045.21 -372.83,-2045.21 -368.35,-2040.72 -319.67,-2040.72 -291.29,-2012.34 -265.37,-2012.34 -160.89,-1907.86 -107.73,-1907.86 -102.72,-1912.88 v1(-100,-1912.88)